# Altium PCB 五菱宏光.PcbDoc
Units mil, origin at the board's own origin, x right, y up, seen from the top; angles counter-clockwise.
Board outline 3937.01 x 3937.01 mil, 2 copper layers (Top Layer, Bottom Layer); 41 components, 49 nets, 200 pads, 12 vias.
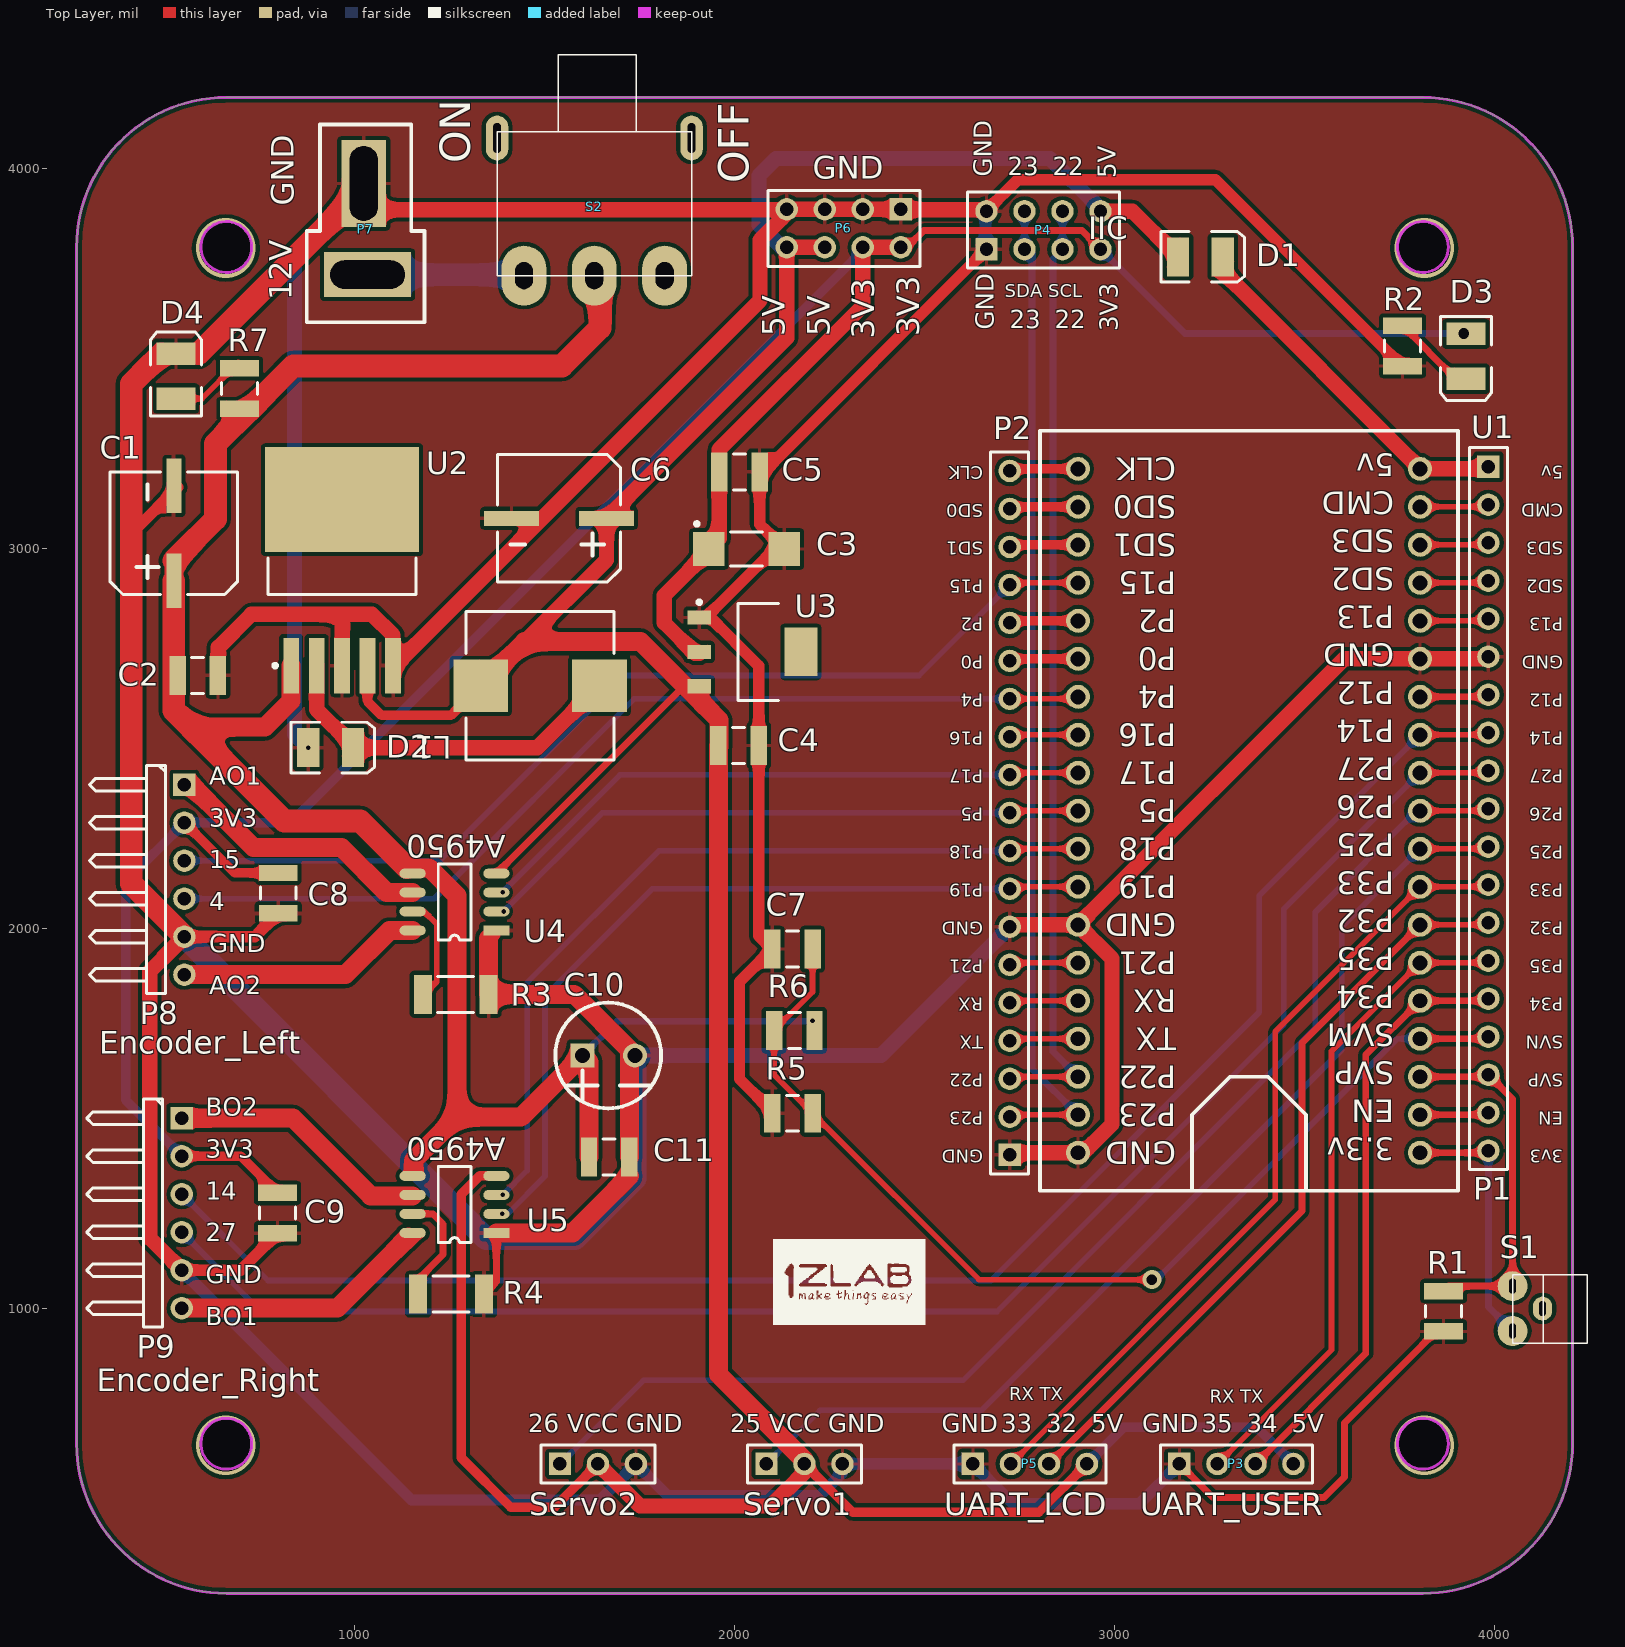
[diagram p0: Top Layer view]
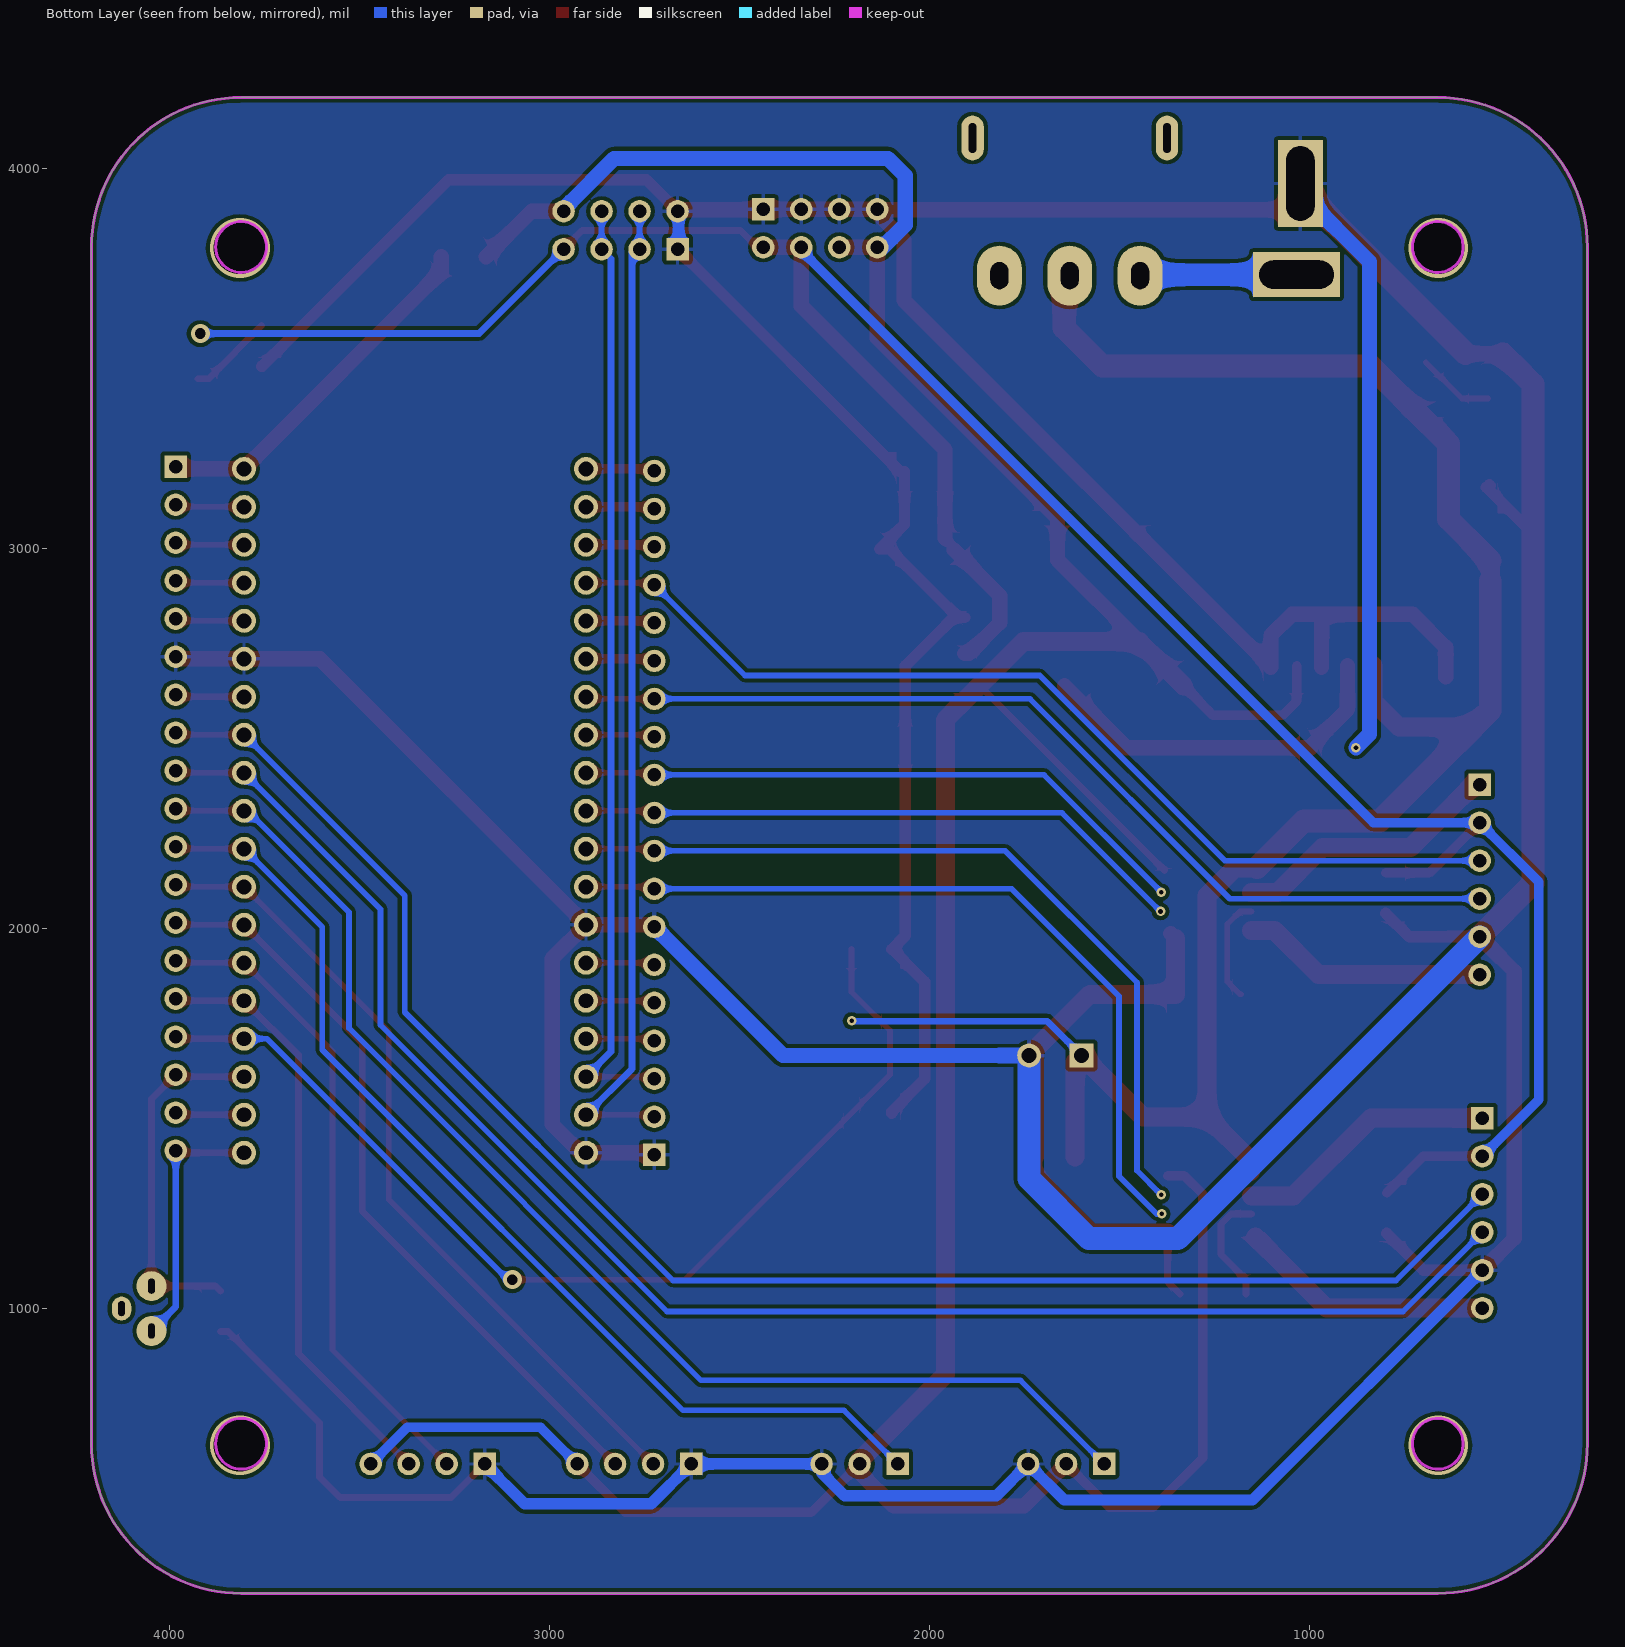
[diagram p1: Bottom Layer view, seen from below]

## Layer stack, top to bottom
Top Solder: solder mask 0.4, Solder Resist, Dk 3.5
Top Layer: signal copper 1.4
Dielectric1: core 12.6, FR-4, Dk 4.8
Bottom Layer: signal copper 1.4
Bottom Solder: solder mask 0.4, Solder Resist, Dk 3.5

## Board outline
662.2,249.5 cw(c662.2,643.2) 268.5,643.2 268.5,3792.8 cw(c662.2,3792.8) 662.2,4186.5 3811.8,4186.5 cw(c3811.8,3792.8) 4205.5,3792.8 4205.5,643.2 cw(c3811.8,643.2) 3811.8,249.5

## Design rules (kind name [scope] priority, off if disabled: settings)
Clearance [All] p1: gap=10 ignorepadtopadclearanceinfootprint=FALSE except(0: Arc-Hole Track-Hole SMDPad-Hole THPad-Hole Via-Hole Fill-Hole Poly-Hole Region-Hole Text-Hole)
HoleSize [All] p1: absolutevalues=TRUE maxlimit=200 minlimit=1 maxpercent=80.000 minpercent=20.000
PolygonConnect [All] p1: connectstyle=Relief reliefconductorwidth=10 reliefentries=4 polygonreliefangle="90 Angle" airgapwidth=10
RoutingVias [All] p1: holewidth=23.62 width=39.37 viastyle="Through Hole" minholewidth=1 minwidth=1 maxholewidth=28 maxwidth=50
SolderMaskExpansion [All] p1: expansion=4
Width [All] p1: maxlimit=60 minlimit=10 preferedwidth=50
29 further rules are at their usual default settings.

## Components (designator, comment, footprint, x,y, rotation, side; value= is the part's Value field where it differs from the comment)
C1 "Cap Pol1" CAPM8485X103N 524.09,3039.42 r90 top value=220uF35V
C2 "Cap Semi" C1210 587.08,2665.4 r180 top value=0.1UF
C3 "" CAPMP6022X29N 2031.63,2998.08 r0 top value=22uF
C4 "Cap Semi" C1210 2010.63,2481.08 r180 top value=0.1UF
C5 "Cap Semi" C1210 2012.63,3201.08 r180 top value=0.1UF
C6 "Cap Pol1" CAPM8485X103N 1537.87,3078.79 r180 top value=220uF35V
C7 "Cap Semi" C1210 2152.15,1945 r0 top value=100nF
C8 "Cap Semi" C1210 799,2092.15 r270 top value=0.1UF
C9 "Cap Semi" C1210 797,1250.15 r270 top value=0.1UF
C10 "Cap Pol1" RB7.6 1668.9,1665 r0 top value=220uf25v
C11 "Cap Semi" C1210 1670.05,1398 r180 top value=0.1UF
D1 "LED3" 3.5X2.8X1.9 3226.06,3767 r0 top
D2 "LED3" 3.5X2.8X1.9 936.63,2475.08 r0 top
D3 "LED3" 3.5X2.8X1.9 3925,3505.06 r270 top
D4 "LED3" 3.5X2.8X1.9 530,3452.94 r90 top
L1 "Inductor" CAPM100100X103N 1488,2638 r180 top value=33uH
P1 "Header 19" HDR1X19 3983.92,3214.51 r270 top
P2 "Header 19" HDR1X19 2724.08,1403.49 r90 top
P3 "串口(拓展)" HDR1X4 3170.83,590 r0 top
P4 "IIC" HDR2X4 2663,3787 r0 top
P5 "串口(拓展)" HDR1X4 2627.38,590 r0 top
P6 "Header 4X2A" HDR2X4_CEN 2437.37,3892 r180 top
P7 "Header 2" RH-7104 1024.04,3954.09 r270 top
P8 "Header 6H" HDR1X6H 552,2377.66 r270 top
P9 "Header 6H" HDR1X6H 545,1500 r270 top
R1 "Res3" 14-1210 3866,991.85 r90 top value=1.5K
R2 "Res3" 14-1210 3758,3532.61 r270 top value=1.5K
R3 "Res3" 12Z-2010 1266,1826 r180 top value=0.25Ω
R4 "Res3" 12Z-2010 1254,1037 r180 top value=0.25Ω
R5 "Res3" 14-1210 2152,1513 r0 top value="1K 0.1%"
R6 "Res3" 14-1210 2157.15,1731 r0 top value="10K 0.1%"
R7 "Res3" 14-1210 697,3420 r270 top value=1.5K
S1 "四角按键" sw-4-Pin 4087,999 r90 top
S2 "SW-PB" 开关 1642,3936 r0 top
Servo1 "Header 3" HDR1X3 2083.92,590 r0 top
Servo2 "Header 3" HDR1X3 1540.46,590 r0 top
U1 "NodeMCU-32s" NodeMCU_ESP32 3354,2309 r90 top
U2 "LM2596T-5V(S)" DPAK170P1534X450-6N 967,2940.99 r90 top
U3 "AMS1117" DPAK230P700X180-4N 2046.63,2727.08 r0 top
U4 "A4950" SOP8 1263,2069 r180 top
U5 "A4950" SOP8 1263,1273 r180 top

## Footprints (in the part's own frame and the unit in brackets; to place one, negate y for a bottom-side part, rotate by r counter-clockwise, add the part's x,y. Pads: shape width x height; smd on the part's side, far side on the other; paste and mask are expansions set on the pad)
3.5X2.8X1.9 [mm] "SM LED; 2 C-Bend Leads; Body 3.5 x 2.8 x 1.9 mm, inc leads (LxWxH typ)"
  rect 1.5x2.6 smd: 1(-1.5,0) 2(1.5,0)
  silkscreen extent -2.65,-1.7 2.95,1.7
12Z-2010 [mm] "Chip Resistor, Body 5.0x2.5mm, IPC High Density"
  rect 1.2x2.6 smd: 1(-2.2,0) 2(2.2,0)
  silkscreen extent -1.2,-1.2 1.2,1.2, body extent -2.58,-1.33 2.57,1.33, height 0.9
14-1210 [mm] "Chip Resistor, Body 3.2x2.5mm, IPC High Density"
  rect 1.1x2.6 smd: 1(-1.35,0) 2(1.35,0)
  silkscreen extent -0.4,-1.2 0.4,1.2, body extent -1.68,-1.32 1.68,1.32, height 0.9
C1210 [mm] "Chip Capacitor, Body 3.2x2.5mm, IPC High Density"
  rect 1.1x2.6 smd: 1(-1.35,0) 2(1.35,0)
  silkscreen extent -0.4,-1.2 0.4,1.2, body extent -1.7,-1.35 1.7,1.35, height 1.3
CAPM8485X103N [mm] "Molded Capacitor, 2-Leads, Body 8.40x8.50mm, IPC Medium Density"
  rect 3.65x1 smd: 1(-3.175,0) 2(3.175,0)
  silkscreen extent -4.1,-4.25 4.1,4.25, body extent -4.1,-4.2 4.1,4.2, height 10.3
CAPM100100X103N [mm] "Molded Capacitor, 2-Leads, Body 10.00x10.00mm, IPC Medium Density"
  rect 3.65x3.5 smd: 1(-3.975,0) 2(3.975,0)
  silkscreen extent -4.95,-4.95 4.95,4.95, body extent -4.9,-4.9 4.9,4.9, height 10.3
CAPMP6022X29N [mm] "Molded Capacitor, 2-Leads, Body 6.00x2.20mm, IPC Medium Density"
  rect 2.1x2.25 smd: 1(-2.525,0) 2(2.525,0)
  silkscreen extent -3.45,-1.15 1.08,1.8, body extent -3,-1.1 3,1.1, height 2.9
DPAK170P1534X450-6N [mm] "D2-PAK, 6-Pads, Body 7.20x8.30mm (max), IPC Medium Density"
  rect 3.7x1.05 smd: 1(-6.35,3.4) 2(-6.35,1.7) 3(-6.35,0) 4(-6.35,-1.7) 5(-6.35,-3.4)
  rect 7x10.3 smd: ""(4.75,0)
  silkscreen extent -6.47,-4.95 0.85,4.95, body extent -1.6,-4.95 6.6,4.95, height 4.5
DPAK230P700X180-4N [mm] "TO, 4-Pads, Body 4.85x6.61mm (max), IPC Medium Density"
  rect 1.55x0.95 smd: 1(-3.55,2.3) 2(-3.55,0) 3(-3.55,-2.3)
  rect 2.2x3.25 smd: 4(3.25,0)
  silkscreen extent -3.67,-3.25 1.75,3.45, body extent -0.95,-3.25 2.55,3.25, height 1.8
HDR1X3 [mm] "Connector; Header; 3 Position"
  rect 1.5x1.5 hole 0.9: 1(0,0)
  round 1.5 hole 0.9: 2(2.54,0) 3(5.08,0)
  silkscreen extent -1.27,-1.27 6.35,1.27
HDR1X4 [mm] "Connector; Header; 4 Position"
  rect 1.5x1.5 hole 0.9: 1(0,0)
  round 1.5 hole 0.9: 2(2.54,0) 3(5.08,0) 4(7.62,0)
  silkscreen extent -1.27,-1.27 8.89,1.27
HDR1X6H [mm] "Connector; Header; 6 Position; Right Angle"
  rect 1.5x1.5 hole 0.9: 1(0,0)
  round 1.5 hole 0.9: 2(2.54,0) 3(5.08,0) 4(7.62,0) 5(10.16,0) 6(12.7,0)
  silkscreen extent -1.27,-6.35 13.97,-1.27
HDR1X19 [mm] "Connector; Header; 19 Position"
  rect 1.5x1.5 hole 0.9: 1(0,0)
  round 1.5 hole 0.9: 2(2.54,0) 3(5.08,0) 4(7.62,0) 5(10.16,0) 6(12.7,0) 7(15.24,0) 8(17.78,0) 9(20.32,0) 10(22.86,0) 11(25.4,0) 12(27.94,0) 13(30.48,0) 14(33.02,0) 15(35.56,0) 16(38.1,0) 17(40.64,0) 18(43.18,0) 19(45.72,0)
  silkscreen extent -1.27,-1.27 46.99,1.27
HDR2X4 [mm]
  rect 1.5x1.5 hole 0.9: 1(0,0)
  round 1.5 hole 0.9: 2(0,2.54) 3(2.54,0) 4(2.54,2.54) 5(5.08,0) 6(5.08,2.54) 7(7.62,0) 8(7.62,2.54)
  silkscreen extent -1.27,-1.27 8.89,3.81
HDR2X4_CEN [mm] "Connector; Header; 4x2 Position"
  rect 1.5x1.5 hole 0.9: 1(0,0)
  round 1.5 hole 0.9: 2(2.54,0) 3(5.08,0) 4(7.62,0) 5(0,2.54) 6(2.54,2.54) 7(5.08,2.54) 8(7.62,2.54)
  silkscreen extent -1.27,-1.27 8.89,3.81
NodeMCU_ESP32 [mm]
  round 1.6 hole 1: 0(-22.86,-11.43) 1(-20.32,-11.43) 2(-17.78,-11.43) 3(-15.24,-11.43) 4(-12.7,-11.43) 5(-10.16,-11.43) 6(-7.62,-11.43) 7(-5.08,-11.43) 8(-2.54,-11.43) 9(0,-11.43) 10(2.54,-11.43) 11(5.08,-11.43) 12(7.62,-11.43) 13(10.16,-11.43) 14(12.7,-11.43) 15(15.24,-11.43) 16(17.78,-11.43) 17(20.32,-11.43) 18(22.86,-11.43) 19(-22.86,11.43) 20(-20.32,11.43) 21(-17.78,11.43) 22(-15.24,11.43) 23(-12.7,11.43) 24(-10.16,11.43) 25(-7.62,11.43) 26(-5.08,11.43) 27(-2.54,11.43) 28(0,11.43) 29(2.54,11.43) 30(5.08,11.43) 31(7.62,11.43) 32(10.16,11.43) 33(12.7,11.43) 34(15.24,11.43) 35(17.78,11.43) 36(20.32,11.43) 37(22.86,11.43)
  silkscreen extent -25.4,-13.97 25.4,13.97
RB7.6 [mm]
  rect 1.6x1.6 hole 1: 1(-1.75,0)
  round 1.6 hole 1: 2(1.75,0)
  silkscreen extent -3.57,-3.54 3.5,3.54
RH-7104 [mm]
  rect 5.8x3 hole 1.9 slot 5 at 0 deg: 1(-0.15,-0.001)
  rect 3x5.8 hole 1.9 slot 5 at 90 deg: 2(5.946,0.253)
  silkscreen extent -4.09,-3.81 9.12,4.06
SOP8 [mm]
  rect 1.75x0.65 smd: 1(-2.8,1.905)
  oval 1.75x0.65 smd: 2(-2.8,0.635) 3(-2.8,-0.635) 4(-2.8,-1.905) 5(2.8,-1.905) 6(2.8,-0.635) 7(2.8,0.635) 8(2.8,1.905)
  silkscreen extent -1.09,-2.54 1.09,2.54
sw-4-Pin [mm]
  round 2 hole 0.45 slot 1 at 0 deg: 1(1.5,1) 2(-1.5,1)
  oval 1.6x1.3 hole 0.45 slot 1 at 0 deg: ""(0,-1)
  silkscreen extent -2.31,-4 2.26,1
开关 [mm]
  oval 1.5x3 hole 0.5 slot 2 at 90 deg: 0(-6.784,3.649) 0(6.216,3.649)
  oval 3x4 hole 1.2 slot 1.8 at 90 deg: 1(-4.984,-5.551) 2(-0.284,-5.551) 3(4.416,-5.551)
  silkscreen extent -6.78,-5.55 6.22,9.22

## Part data
C1 C6 C10: "Polarized Capacitor (Radial)", LatestRevisionDate=17-Jul-2002, LatestRevisionNote="Re-released for DXP Platform.", PackageDescription="Polarized Capacitor (Radial); 2 Leads", PackageReference=RB7.6-15, Published=8-Jun-2000, Publisher="Altium Limited"
C2 C4 C5 C7 C8 C9 C11: "Capacitor (Semiconductor SIM Model)", LatestRevisionDate=29-May-2009, LatestRevisionNote="IPC-7351 Footprint Added.", PackageDescription="Chip Capacitor", PackageReference=C1206, Published=8-Jun-2000, Publisher="Altium Limited"
C3: library part "Cap Pol2", "Polarized Capacitor (Axial)", LatestRevisionDate=17-Jul-2002, LatestRevisionNote="Re-released for DXP Platform.", PackageDescription="Polarized Capacitor; 2 Leads", PackageReference=POLAR0.8, Published=8-Jun-2000, Publisher="Altium Limited"
D1 D2 D3 D4: "Typical BLUE SiC LED", DatasheetVersion=16-Apr-2002, LatestRevisionDate=17-Dec-2003, LatestRevisionNote="PCB Footprint replaced.", PackageDescription="SM LED; 2 C-Bend Leads; Body 3.5 x 2.8 x 1.9 mm, inc leads (LxWxH typ)", PackageReference=3.5X2.8X1.9, PackageVersion=16-Apr-2002, Published=8-Jun-2000, Publisher="Altium Limited"
P1 P2: "Header, 19-Pin", LatestRevisionDate=17-Jul-2002, LatestRevisionNote="Re-released for DXP Platform.", Publisher="Altium Limited"
P3 P5: library part "Header 4", "Header, 4-Pin", LatestRevisionDate=17-Jul-2002, LatestRevisionNote="Re-released for DXP Platform.", Publisher="Altium Limited"
P4: library part "Header 4X2", "Header, 4-Pin, Dual row", LatestRevisionDate=17-Jul-2002, LatestRevisionNote="Re-released for DXP Platform.", Publisher="Altium Limited"
P6: "Header, 4-Pin, Dual row", LatestRevisionDate=17-Jul-2002, LatestRevisionNote="Re-released for DXP Platform.", Publisher="Altium Limited"
P7: "Header, 2-Pin", LatestRevisionDate=17-Jul-2002, LatestRevisionNote="Re-released for DXP Platform.", Publisher="Altium Limited"
P8 P9: "Header, 6-Pin, Right Angle", LatestRevisionDate=17-Jul-2002, LatestRevisionNote="Re-released for DXP Platform.", Publisher="Altium Limited"
R1 R2 R3 R4 R5 R6 R7: "Resistor", LatestRevisionDate=29-May-2009, LatestRevisionNote="IPC-7351 Footprint Added.", PackageDescription="Chip Resistor", PackageReference=J1-0603, Published=8-Jun-2000, Publisher="Altium Limited"
S1: library part SW-SPST, "Single-Pole, Single-Throw Switch", LatestRevisionDate=17-Jul-2002, LatestRevisionNote="Re-released for DXP Platform.", PackageDescription="Switch; 2 Leads", PackageReference=SPST-2, Published=24-Mar-1999, Publisher="Altium Limited"
S2: "Switch", LatestRevisionDate=17-Jul-2002, LatestRevisionNote="Re-released for DXP Platform.", PackageDescription="Switch; 2 Leads", PackageReference=SPST-2, Published=24-Mar-1999, Publisher="Altium Limited"
Servo1 Servo2: "Header, 3-Pin", LatestRevisionDate=17-Jul-2002, LatestRevisionNote="Re-released for DXP Platform.", Publisher="Altium Limited"
L1: Code_IEC=1005, Code_JEITA=0402, LatestRevisionDate=29-May-2009, LatestRevisionNote="IPC-7351 Footprint Added.", PackageDescription="Chip Inductor", PackageReference=0402-A, Published=8-Jun-2000, Publisher="Altium Limited"

## Via types
v1: diameter 25, hole 12, Top Layer to Bottom Layer, 6 vias
v2: diameter 157.48, hole 137.8, Top Layer to Bottom Layer, 4 vias
v3: diameter 50, hole 28, Top Layer to Bottom Layer, 2 vias

## Nets (pads, with @x,y where several pads share a name; then routed paths per layer and width w, separated by ;. In a path a pad name is that pad's centre, name@x,y a point inside that pad or via, vN(x,y) a via of type N, cw(c..) or ccw(c..) an arc to the next point about the centre after c; other vN are vias at no path point)
3.3v: P1.19 S1.2 U1.0 | length 683.2
  Top Layer w18: U1.0 P1.19@3978.41,1409
  Top Layer w40: P1.19@3978.41,1409 P1.19
  Bottom Layer w18: P1.19 3983.92,1003.65 S1.2
3V3: C3.1 C5.2 C8.1 C9.1 D3.1 P4.7 P6.5 P6.6 P8.2 P9.2 U3.2 | length 7078.5
  Top Layer w18: P6.5@2424,3791 2453,3791 2498,3836 2914,3836 P4.7 ; v3(3919,3565) 3924.11,3565 D3.1
  Top Layer w25: P9.2 700.3,1400 C9.1 ; P8.2 684.36,2145.3 C8.1 ; C3.1 C3.1@1959.48,3025.34
  Top Layer w40: U3.2@1907.9,2723.05 1895.95,2723.05 1815,2804 1815,2875.8 C3.1@1934.75,2995.55 ; C3.1@1959.48,3025.34 C5.2 1959.48,3259.48 2337.37,3637.37 P6.6 P6.5
  Bottom Layer w18: P4.7 3185,3565 v3(3919,3565)
  Bottom Layer w25: P9.2 397,1548 397,2122.66 P8.2 831.66,2277.66 P6.6@2345,3791
5V: C4.2 C6.1 D1.1 L1.2 P3.4 P4.8 P5.4 P6.7 P6.8 Servo1.2 Servo2.2 U2.4 U3.3 U4.4 U5.4 | length 10186.3
  Top Layer w18: U4.4@1381.12,2151.88 1864.23,2635 1872,2635
  Top Layer w25: U2.4 1033.93,2597.07 1071,2560 1253.5,2560 L1.2 ; U5.4 1329,1348 1281,1300 1281,606 1411,476 1526.46,476 Servo2.2 ; Servo1.2 2310.92,463 2800.38,463 P5.4
  Top Layer w40: 1447.5,2754 1662.87,2969.36 C6.1 2137.37,3553.29 P6.8 P6.7 ; Servo2.2 1751.46,479 2095,479 2183.92,567.92 Servo1.2 Servo1.2@2183.92,599.08 ; P4.8 3047,3887 D1.1
  Top Layer w50: L1.2 1447.5,2754 1753,2754 1872,2635 1958.51,2548.49 C4.2@1958.51,2477.05 ; C4.2 1957.48,825.52 Servo1.2@2183.92,599.08
  Bottom Layer w25: P5.4 3023.38,686 3374.84,686 P3.4
  Bottom Layer w40: P6.8@2124,3791 2064,3851 2064,3981 2109,4026 2830,4026 P4.8@2954.5,3901.5
5VIN: D1.2 P1.1 U1.18 | length 955.1
  Top Layer w40: D1.2 3285.11,3727.89 U1.18 3978.41,3209 P1.1
ADC1_0: C7.2 P1.16 R5.2 R6.1 U1.3 | length 2740.9
  Top Layer w15: C7.2 2205.3,1832.3 R6.1 2104,1614.15 R5.2 2643.15,1075 v3(3098,1075)
  Top Layer w18: U1.3 3978.41,1709 P1.16
  Bottom Layer w15: v3(3098,1075) 3110,1075 3744,1709 U1.3
AO1: P8.1 U4.6 | length 718.3
  Top Layer w45: P8.1 P8.1@568.34,2377.66
  Top Layer w50: P8.1@568.34,2377.66 734,2212 966,2212 1084,2094 U4.6
AO2: P8.6 U4.8 | length 649
  Top Layer w50: P8.6 975.66,1877.66 1092,1994 U4.8
BNT: P1.17 R1.2 S1.1 U1.2 | length 952.1
  Top Layer w18: U1.2 3978.41,1609 P1.17 4047.63,1550.8 S1.1 3879.06,1058.06 R1.2
BO1: P9.6 U5.8 | length 675.1
  Top Layer w50: P9.6 954.76,1000 U5.8@1142.38,1187.62
BO2: P9.1 U5.6 | length 692.3
  Top Layer w50: P9.1 838,1500 1042.18,1295.82 U5.6@1152.76,1295.82
CLK: P2.19 U1.37 | length 182.2
  Top Layer w25: P2.19 2729.59,3209 U1.37
CMD: P1.2 U1.17 | length 182.2
  Top Layer w15: U1.17 3978.41,3109 P1.2
GND: C1.2 C2.1 C3.2 C4.1 C5.1 C6.2 C7.1 C8.2 C9.2 C10.2 C11.1 D2.1 D4.2 P1.6 P2.1 P2.7 P3.1 P4.1 P4.2 P5.1 P6.1 P6.2 P6.3 P6.4 P7.1 P8.5 P9.5 R1.1 R2.2 R3.1 R4.1 R5.1 Servo1.3 Servo2.3 U1.13 U1.19 U1.25 U2.3 U2.5 U3.1 U4.1 U5.1 | length 24944.9
  Top Layer w18: R4.1 1373.24,1069.62 U5.1 ; P3.1 3258.84,502 3551,502 3605,556 3605,698 3845.7,938.7 R1.1
  Top Layer w30: 423,3049 534.39,3160.39 C1.2@525.12,3160.39 ; C1.2 C1.2@527,3167.33 ; P9.5 700,1100 C9.2 ; P8.5 737.66,1977.66 C8.2 ; U3.1 1924.63,2817.63 2105.08,2998.08 C3.2 2065.78,3063.34 C5.1 2077.08,3201.08 P4.1@2658,3782 ; U3.1@1936.37,2817.63 2063.78,2690.22 C4.1 2063.78,1980.22 C7.1 2013,1859 2013,1603 2098.85,1517.15 R5.1 ; P4.1@2658,3787 P4.1@2658,3782 ; P4.1 P4.1@2658,3782 ; P4.2@2663.25,3891 2666,3891 2745,3970 3265.57,3970 3756.11,3479.46 R2.2
  Top Layer w40: D4.2@492,3512 D4.2 589,3512 ; P9.5 461,1184 461,1886.66 P8.5 ; C2.1@641.26,2661.37 641.26,2739.26 728,2826 948,2826 ; P7.1@968,3891 2136.37,3891 P6.4 ; U2.3@968.03,2686.96 968.03,2805.97 948,2826 ; U2.5 1100.86,2771.14 1046,2826 948,2826 ; U2.5@1101.89,2686.96 2067,3652.07 2067,3811 2137.37,3881.37 P6.4 ; 1352.61,1973.38 U4.1@1365.12,1985.88 ; C11.1@1723.2,1347.2 C11.1 ; P6.1@2424,3891 P4.2@2663.25,3891 ; P6.1 P6.2 P6.4 ; P2.1 2729.59,1409 U1.19 2918,1409 2993,1484 2993,1920 U1.25 ; P2.7 2729.59,2009 U1.25 ; P1.6 3978.41,2709 U1.13 3604,2709 U1.25
  Top Layer w50: 1352.61,1973.38 R3.1 1578,1826 1723.2,1680.81 C11.1 ; U5.1 1574,1198 C11.1@1723.2,1347.2
  Top Layer w60: D4.2@492,3512 412,3432 412,2117.66 P8.5 ; 589,3512 P7.1@968,3891
  Bottom Layer w30: P9.5 1150,495 1645.46,495 Servo2.3 1824.46,506 2223,506 2283.92,566.92 Servo1.3 P5.1 2732.38,485 3065.84,485 P3.1 ; P4.1@2660,3785 P4.2@2660,3885
  Bottom Layer w40: v1(877.58,2475.08) 842,2510.65 842,3754 P7.1@1016,3928 ; C10.2 2385.59,1665 P2.7
  Bottom Layer w60: P8.5 1346.66,1183 1580,1183 1737.79,1340.79 C10.2
NetD2_2: D2.2 L1.1 U2.2 | length 971.8
  Top Layer w40: U2.2 900.07,2575.72 995.69,2480.1 D2.2 1481.57,2475.08 L1.1
NetD3_2: D3.2 R2.1 | length 224.9
  Top Layer w18: R2.1 3897.76,3446 D3.2
NetD4_1: D4.1 R7.1 | length 203.5
  Top Layer w15: D4.1 598.74,3393.89 R7.1@694,3489.15
NetP1_18: P1.18 U1.1 | length 182.2
  Top Layer w18: U1.1 3978.41,1509 P1.18
NetP7_2: P7.2 S2.1 | length 412.8
  Bottom Layer w60: P7.2 1443.23,3720 S2.1
NetR3_2: R3.2 U4.7 | length 279.2
  Top Layer w15: U4.7 1183,2044 1216,2011 1216,1859 1183,1826 R3.2
NetR4_2: R4.2 U5.7 | length 302.6
  Top Layer w18: U5.7 1206,1248 1233,1221 1233,1141 1167.39,1075.39 R4.2
P0: P2.14 U1.32 | length 182.2
  Top Layer w25: P2.14 2729.59,2709 U1.32
P2: P2.15 U1.33 | length 182.2
  Top Layer w25: P2.15 2729.59,2809 U1.33
P4: P2.13 P8.4 U1.31 | length 2572.1
  Top Layer w15: P2.13 2898.49,2603.49 U1.31
  Bottom Layer w15: P8.4 1209.66,2077.66 1735.49,2603.49 P2.13
P5: P2.10 U1.28 U4.2 | length 1621.8
  Top Layer w15: P2.10 2729.59,2309 U1.28
  Bottom Layer w15: v1(1392,2044) 1651.49,2303.49 P2.10
P12: P1.7 U1.12 | length 182.2
  Top Layer w18: U1.12 3978.41,2609 P1.7
P13: P1.5 U1.14 | length 182.2
  Top Layer w15: U1.14 3978.41,2809 P1.5
P14: P1.8 P9.3 U1.11 | length 4309.9
  Top Layer w15: U1.11 3978.41,2509 P1.8
  Bottom Layer w15: P9.3 772,1073 2675,1073 3381,1779 3381,2086 U1.11
P15: P2.16 P8.3 U1.34 | length 2654.9
  Top Layer w15: P2.16 2729.59,2909 U1.34
  Bottom Layer w15: P8.3 1222.66,2177.66 1710,2665 2485.59,2665 P2.16
P16: P2.12 U1.30 | length 182.2
  Top Layer w15: P2.12 2729.59,2509 U1.30
P17: P2.11 U1.29 U4.3 | length 1644.1
  Top Layer w15: P2.11 2729.59,2409 U1.29
  Bottom Layer w15: v1(1390,2095) 1698.49,2403.49 P2.11
P18: P2.9 U1.27 U5.3 | length 2181.3
  Top Layer w15: P2.9 2729.59,2209 U1.27
  Bottom Layer w15: v1(1390,1298) 1454,1362 1454,1857 1800.49,2203.49 P2.9
P19: P2.8 U1.26 U5.2 | length 2149.3
  Top Layer w15: P2.8 2729.59,2109 U1.26
  Bottom Layer w15: v1(1389,1248) 1402,1248 1501,1347 1501,1821 1783.49,2103.49 P2.8
P21: P2.6 U1.24 | length 182.9
  Top Layer w15: P2.6 2729.59,1909 U1.24
  Bottom Layer w15: P2.6@2723.59,1903 P2.6
P22: P2.3 P4.5 P4.6 U1.21 | length 2497.9
  Top Layer w15: P2.3 2729.59,1609 U1.21
  Bottom Layer w15: 2838,3762 P4.5 P4.6
  Bottom Layer w18: 2838,3762 2838,1675 U1.21
P23: P2.2 P4.3 P4.4 U1.20 | length 2618.6
  Top Layer w15: P2.2 2729.59,1509 U1.20
  Bottom Layer w15: P4.4 P4.3 P4.3@2783,3767
  Bottom Layer w18: P4.3@2783,3767 2783,1630 U1.20
P25: P1.11 Servo1.1 U1.8 | length 2762.1
  Top Layer w15: U1.8 3978.41,2209 P1.11
  Bottom Layer w15: Servo1.1 2224.92,731 2649,731 3598,1680 3598,2003 U1.8
P26: P1.10 Servo2.1 U1.9 | length 3336.4
  Top Layer w15: U1.9 3978.41,2309 P1.10
  Bottom Layer w15: Servo2.1 1760.46,810 2601,810 3528,1737 3528,2042 3795,2309 U1.9
P27: P1.9 P9.4 U1.10 | length 4293.8
  Top Layer w15: U1.10 3978.41,2409 P1.9
  Bottom Layer w15: P9.4 754,991 2691,991 3445,1745 3445,2050 U1.10
P32: P1.13 P5.3 U1.6 | length 2005.7
  Top Layer w15: U1.6 3978.41,2009 P1.13
  Top Layer w18: P5.3 3493,1255.62 3493,1698 U1.6
P33: P1.12 P5.2 U1.7 | length 2147.2
  Top Layer w15: P5.2 3423,1285.62 3423,1728 U1.7 3978.41,2109 P1.12
P34: P1.15 P3.3 U1.4 | length 1580.6
  Top Layer w18: P3.3 3661,880.16 3661,1666 U1.4 3978.41,1809 P1.15
P35: P1.14 P3.2 U1.5 | length 1722
  Top Layer w15: P3.2 3571,890.16 3571,1676 U1.5 3978.41,1909 P1.14
RX: P2.5 U1.23 | length 182.2
  Top Layer w15: P2.5 2729.59,1809 U1.23
SD0: P2.18 U1.36 | length 182.2
  Top Layer w25: P2.18 2729.59,3109 U1.36
SD1: P2.17 U1.35 | length 182.2
  Top Layer w25: P2.17 2729.59,3009 U1.35
SD2: P1.4 U1.15 | length 182.2
  Top Layer w15: U1.15 3978.41,2909 P1.4
SD3: P1.3 U1.16 | length 182.2
  Top Layer w15: U1.16 3978.41,3009 P1.3
TX: P2.4 U1.22 | length 182.2
  Top Layer w15: P2.4 2729.59,1709 U1.22
VM: C1.1 C2.2 C10.1 C11.2 R6.2 R7.2 S2.2 U2.1 U4.5 U5.5 | length 5378.2
  Top Layer w50: C1.1 C1.1@524.09,2967.09 ; 568,2529 764,2529 833.14,2598.14 U2.1 ; 1137.76,2159 1196,2159 1269,2086 1269,1503 ; U5.5@1155,1360 1155,1389 1269,1503 ; C11.2 1616.9,1648.1 C10.1 1438,1503 1269,1503
  Top Layer w60: C1.1 524.09,2572.91 568,2529 815,2282 1014.76,2282 1137.76,2159 ; C1.1@524.09,2967.09 634,3077 634,3275 838.46,3479.46 1545.46,3479.46 1646,3580 S2.2@1646,3651
  Bottom Layer w18: C10.1 1690,1755 2204,1755 v1(2205,1756)
pads on no net: S1. S2.0 S2.3 U2. U3.4
copper on no net:
  other v2: 661,639 3815,639 661,3790 3815,3790

## Polygon pours and split planes (outlines as drawn)
GND on Top Layer "Bottom Layer-No Net" (solid, remove dead copper, pour order 28): -37,4289 4566,4289 4786,4069 4778,4061 4778,-81 4726,-133 -301,-133
GND on Bottom Layer "Bottom Layer-No Net" (solid, remove dead copper, pour order 30): 77,4281 4597,4281 4869,4009 4869,40 4257,-572 3871,-186 -21,-186

## Keep-outs
Keep-Out Layer:
  circle w7.87: c662.2,3792.8 r66.93
  circle w7.87: c3811.8,3792.8 r66.93
  circle w7.87: c662.2,643.2 r66.93
  circle w7.87: c3811.8,643.2 r66.93
  lines w7.87: 268.5,643.2 ccw(c662.2,643.2) 662.2,249.5 3811.8,249.5 ccw(c3811.8,643.2) 4205.5,643.2 4205.5,3792.8 ccw(c3811.8,3792.8) 3811.8,4186.5 662.2,4186.5 ccw(c662.2,3792.8) 268.5,3792.8 268.5,643.2

## Silkscreen, mask and mechanical layers (free items; w line width, h text height)
Top Overlay:
  drawing of 535 lines, arcs and shapes, not listed
  text "ON" at 1304,4013 h80 r90
  text "23" at 2719,3982 h47.24
  text "22" at 2838,3982 h47.24
  text "GND" at 2677,3978 h47.24 r90
  text "5V" at 3003,3974 h47.24 r90
  text "GND" at 2206,3973 h60
  text "OFF" at 2037,3961 h80 r90
  text "GND" at 840,3902 h60 r90
  text "IIC" at 2931,3813 h60
  text "SDA SCL" at 2711,3661 h35
  text "12V" at 835,3652 h60 r90
  text "23" at 2724,3579 h47.24
  text "22" at 2843,3579 h47.24
  text "GND" at 2682,3575 h47.24 r90
  text "3V3" at 3008,3571 h47.24 r90
  text "5V" at 2131.78,3558.48 h60 r90
  text "5V" at 2249.89,3558.48 h60 r90
  text "3V3" at 2486.11,3558.48 h60 r90
  text "3V3" at 2368,3551 h60 r90
  text "5v" at 4180.96,3229.1 h60 r180
  text "CLK" at 2654.13,3228.26 h60 r180
  text "CMD" at 4180.96,3129.1 h60 r180
  text "SD0" at 2654.13,3128.26 h60 r180
  text "SD3" at 4180.96,3029.1 h60 r180
  text "SD1" at 2654.13,3028.26 h60 r180
  text "SD2" at 4180.96,2929.1 h60 r180
  text "P15" at 2654.13,2928.26 h60 r180
  text "P13" at 4180.96,2829.1 h60 r180
  text "P2" at 2654.13,2828.26 h60 r180
  text "GND" at 4180.96,2729.1 h60 r180
  text "P0" at 2654.13,2728.26 h60 r180
  text "P12" at 4180.96,2629.1 h60 r180
  text "P4" at 2654.13,2628.26 h60 r180
  text "P14" at 4180.96,2529.1 h60 r180
  text "P16" at 2654.13,2528.26 h60 r180
  text "P27" at 4180.96,2429.1 h60 r180
  text "P17" at 2654.13,2428.26 h60 r180
  text "AO1" at 617.96,2377.66 h47.24
  text "P26" at 4180.96,2329.1 h60 r180
  text "P5" at 2654.13,2328.26 h60 r180
  text "3V3" at 617.96,2267.43 h47.24
  text "P25" at 4180.96,2229.1 h60 r180
  text "P18" at 2654.13,2228.26 h60 r180
  text "15" at 617.96,2157.19 h47.24
  text "P33" at 4180.96,2129.1 h60 r180
  text "P19" at 2654.13,2128.26 h60 r180
  text "4" at 617.96,2046.95 h47.24
  text "P32" at 4180.96,2029.1 h60 r180
  text "GND" at 2654.13,2028.26 h60 r180
  text "GND" at 617.96,1936.72 h47.24
  text "P35" at 4180.96,1929.1 h60 r180
  text "P21" at 2654.13,1928.26 h60 r180
  text "P34" at 4180.96,1829.1 h60 r180
  text "RX" at 2654.13,1828.26 h60 r180
  text "AO2" at 617.96,1826.48 h47.24
  text "SVN" at 4180.96,1729.1 h60 r180
  text "TX" at 2654.13,1728.26 h60 r180
  text "Encoder_Left" at 328,1669 h60
  text "SVP" at 4180.96,1629.1 h60 r180
  text "P22" at 2654.13,1628.26 h60 r180
  text "EN" at 4180.96,1529.1 h60 r180
  text "P23" at 2654.13,1528.26 h60 r180
  text "BO2" at 608,1506.24 h47.24
  text "3v3" at 4180.96,1429.1 h60 r180
  text "GND" at 2654.13,1428.26 h60 r180
  text "3V3" at 608,1396 h47.24
  text "14" at 608,1285.76 h47.24
  text "27" at 608,1175.53 h47.24
  text "GND" at 608,1065.29 h47.24
  text "BO1" at 608,955.06 h47.24
  text "Encoder_Right" at 321,781 h60
  text "RX TX" at 2723,758 h35
  text "RX TX" at 3250,751 h35
  text "26 VCC GND" at 1456.69,674 h47
  text "25 VCC GND" at 1988.19,674 h47
  text "GND" at 2544.99,673.76 h47.24
  text "33" at 2702.47,673.76 h47.24
  text "32" at 2820.58,673.76 h47.24
  text "5V" at 2938.69,673.76 h47.24
  text "GND" at 3072.41,673.76 h47.24
  text "35" at 3229.89,673.76 h47.24
  text "34" at 3348,673.76 h47.24
  text "5V" at 3466.11,673.76 h47.24
  text "UART_LCD" at 2552,455 h60
  text "UART_USER" at 3067,455 h60

## Text inside footprints (layer, text, board x,y; h text height)
U1: Top Overlay "5v" at 3735.5,3248.37 h60 r180; Top Overlay "CMD" at 3735.5,3148.37 h60 r180; Top Overlay "SD3" at 3735.5,3048.37 h60 r180; Top Overlay "SD2" at 3735.5,2948.37 h60 r180; Top Overlay "P13" at 3735.5,2848.37 h60 r180; Top Overlay "GND" at 3735.5,2748.37 h60 r180; Top Overlay "P12" at 3735.5,2648.37 h60 r180; Top Overlay "P14" at 3735.5,2548.37 h60 r180; Top Overlay "P27" at 3735.5,2448.37 h60 r180; Top Overlay "P26" at 3735.5,2348.37 h60 r180; Top Overlay "P25" at 3735.5,2248.37 h60 r180; Top Overlay "P33" at 3735.5,2148.37 h60 r180; Top Overlay "P32" at 3735.5,2048.37 h60 r180; Top Overlay "P35" at 3735.5,1948.37 h60 r180; Top Overlay "P34" at 3735.5,1848.37 h60 r180; Top Overlay "SVM" at 3735.5,1748.37 h60 r180; Top Overlay "SVP" at 3735.5,1648.37 h60 r180; Top Overlay "3.3v" at 3735.5,1448.37 h60 r180; Top Overlay "EN" at 3735.5,1548.37 h60 r180; Top Overlay "GND" at 3162.66,1438.53 h60 r180; Top Overlay "P23" at 3162.66,1538.53 h60 r180; Top Overlay "P22" at 3162.66,1638.53 h60 r180; Top Overlay "TX" at 3162.66,1738.53 h60 r180; Top Overlay "RX" at 3162.66,1838.53 h60 r180; Top Overlay "P21" at 3162.66,1938.53 h60 r180; Top Overlay "GND" at 3162.66,2038.53 h60 r180; Top Overlay "P19" at 3162.66,2138.53 h60 r180; Top Overlay "P18" at 3162.66,2238.53 h60 r180; Top Overlay "P5" at 3162.66,2338.53 h60 r180; Top Overlay "P17" at 3162.66,2438.53 h60 r180; Top Overlay "P16" at 3162.66,2538.53 h60 r180; Top Overlay "P4" at 3162.66,2638.53 h60 r180; Top Overlay "P0" at 3162.66,2738.53 h60 r180; Top Overlay "P2" at 3162.66,2838.53 h60 r180; Top Overlay "P15" at 3162.66,2938.53 h60 r180; Top Overlay "SD1" at 3162.66,3038.53 h60 r180; Top Overlay "SD0" at 3162.66,3138.53 h60 r180; Top Overlay "CLK" at 3162.66,3238.53 h60 r180